# KiCad board Ultra-MSX.kicad_pcb (continued)
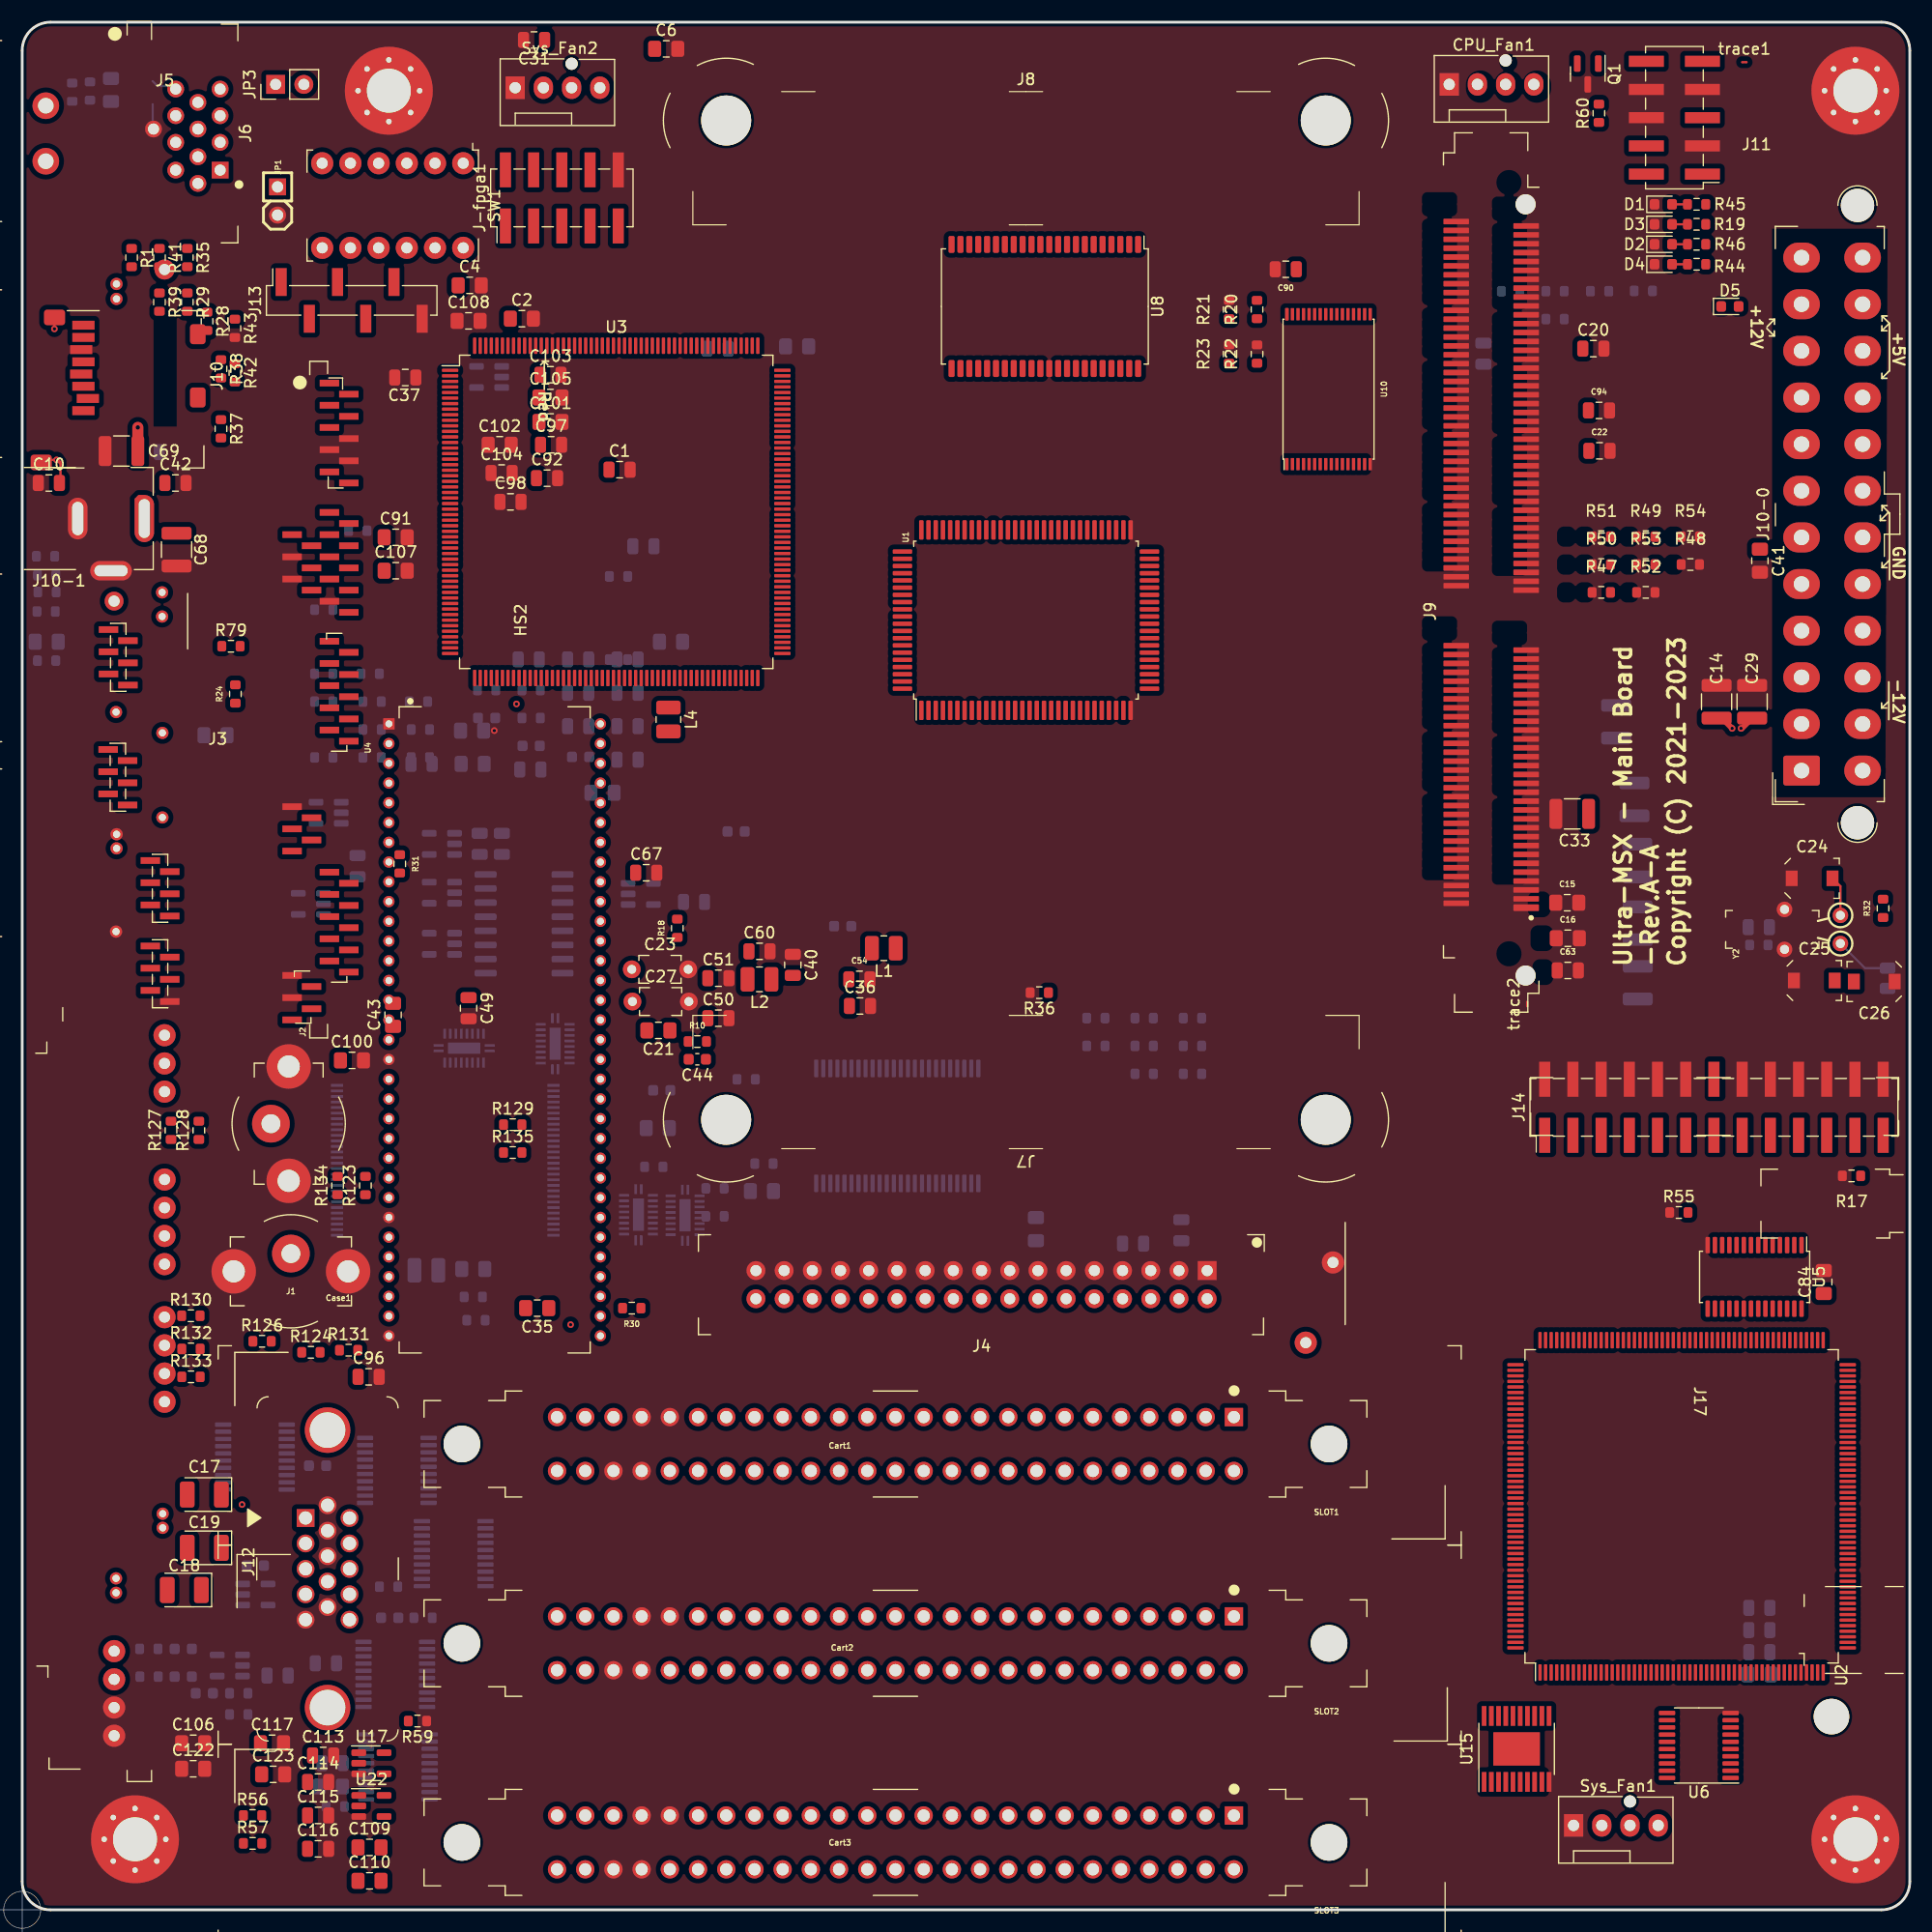
[diagram p0: board, top side]
## Nets (continued)
/AUDIO/VT_RAD7: U23.50 U24.12
/AUDIO/VT_~{EN}: U23.32 U25.16
/AUDIO/VT_~{OE}: U23.34 U25.14
/AUDIO/VT_~{RST}: U23.14 U25.15
/AUDIO/VT_~{RY_BY}: U23.17 U25.12
/AUDIO/VT_~{WE}: U23.13 U25.13
/AUDIO/VT_~{WP}: U23.16 U25.17
/BLANK: J3.46
/BOUT: C18.2 J5.51 J12.2
/CAPS_LED: J6.2 U2.28
/CAS_IN: J5.3 U2.6
/CAS_MOT: J5.2 U2.7
/CAS_OUT: J5.1 U2.10
/CC1/HPD: J5.35 U3.24
/CLK_BUS: U1.20 U2.57 U15.17
/CLK_IO: U1.21 U2.100
/CLK_PSG: U2.152 U4.63
/CLK_VDP: J3.13 U2.120
/CSYNC: J3.53 J5.50
/ENG_~{INT}: SW1.2 U1.38 U2.77
/FMA-CH1_L: C21.2 C27.1 U9.10
/FMA-CH2_R: C23.1 C35.2 U9.11
/GOUT: C19.2 J5.49 J12.3
/HDD_PWM: R60.1 U2.150
/HSYNC: J3.55 J12.13
/I2C_SCL: J9.141 RV1.18 RV2.18 RV3.18 RV4.18 RV5.18 U3.187
/I2C_SDA: J9.142 RV1.19 RV2.19 RV3.19 RV4.19 RV5.19 U3.186
/JOY_OUT_A: J5.8 U3.118
/JOY_OUT_B: J5.16 U3.134
/KANA_LED: J6.1 U2.31
/KBD_TYPE: JP1.1 R42.1
/KEY_CLICK: C56.2 U2.29
/KEY_DIR: J6.11 U2.27
/MCKE0: J9.62 U3.172
/MCKE1: J9.68 U3.173
/MCLK0: J9.74
/MCLK1: J9.61
/MEMORY/DQMB0: J9.23 U3.195
/MEMORY/DQMB1: J9.25 U3.196
/MEMORY/DQMB2: J9.115 U3.197
/MEMORY/DQMB3: J9.117 U3.198
/MEMORY/DQMB4: J9.24 U3.201
/MEMORY/DQMB5: J9.26 U3.202
/MEMORY/DQMB6: J9.116 U3.149
/MEMORY/DQMB7: J9.118 U3.150
/MEMORY/MD0: J9.3 U3.6
/MEMORY/MD1: J9.5 U3.7
/MEMORY/MD2: J9.7 U3.10
/MEMORY/MD3: J9.9 U3.11
/MEMORY/MD4: J9.13 U3.12
/MEMORY/MD5: J9.15 U3.13
/MEMORY/MD6: J9.17 U3.16
/MEMORY/MD7: J9.19 U3.19
/MEMORY/MD8: J9.37 U3.20
/MEMORY/MD9: J9.39 U3.21
/MEMORY/MD10: J9.41 U3.22
/MEMORY/MD11: J9.43 U3.27
/MEMORY/MD12: J9.47 U3.28
/MEMORY/MD13: J9.49 U3.29
/MEMORY/MD14: J9.51 U3.30
/MEMORY/MD15: J9.53 U3.31
/MEMORY/MD16: J9.83 U3.32
/MEMORY/MD17: J9.85 U3.33
/MEMORY/MD18: J9.87 U3.34
/MEMORY/MD19: J9.89 U3.35
/MEMORY/MD20: J9.93 U3.38
/MEMORY/MD21: J9.95 U3.39
/MEMORY/MD22: J9.97 U3.40
/MEMORY/MD23: J9.99 U3.41
/MEMORY/MD24: J9.121 U3.42
/MEMORY/MD25: J9.123 U3.43
/MEMORY/MD26: J9.125 U3.44
/MEMORY/MD27: J9.127 U3.45
/MEMORY/MD28: J9.131 U3.46
/MEMORY/MD29: J9.133 U3.58
/MEMORY/MD30: J9.135 U3.59
/MEMORY/MD31: J9.137 U3.60
/MEMORY/MD32: J9.4 U3.61
/MEMORY/MD33: J9.6 U3.62
/MEMORY/MD34: J9.8 U3.63
/MEMORY/MD35: J9.10 U3.64
/MEMORY/MD36: J9.14 U3.65
/MEMORY/MD37: J9.16 U3.66
/MEMORY/MD38: J9.18 U3.68
/MEMORY/MD39: J9.20 U3.69
/MEMORY/MD40: J9.38 U3.70
/MEMORY/MD41: J9.40 U3.71
/MEMORY/MD42: J9.42 U3.72
/MEMORY/MD43: J9.44 U3.73
/MEMORY/MD44: J9.48 U3.74
/MEMORY/MD45: J9.50 U3.75
/MEMORY/MD46: J9.52 U3.82
/MEMORY/MD47: J9.54 U3.83
/MEMORY/MD48: J9.84 U3.84
/MEMORY/MD49: J9.86 U3.85
/MEMORY/MD50: J9.88 U3.88
/MEMORY/MD51: J9.90 U3.89
/MEMORY/MD52: J9.94 U3.91
/MEMORY/MD53: J9.96 U3.92
/MEMORY/MD54: J9.98 U3.93
/MEMORY/MD55: J9.100 U3.94
/MEMORY/MD56: J9.122 U3.97
/MEMORY/MD57: J9.124 U3.98
/MEMORY/MD58: J9.126 U3.163
/MEMORY/MD59: J9.128 U3.164
/MEMORY/MD60: J9.132 U3.167
/MEMORY/MD61: J9.134 U3.168
/MEMORY/MD62: J9.136 U3.169
/MEMORY/MD63: J9.138 U3.170
/MEMORY/~{RAM_CS0}: U1.48 U8.6 U8.40
/MEMORY/~{RAM_CS1}: J9.71 U1.47
/MEMORY/~{RAM_CS2}: U1.46
/MEMORY/~{RAM_CS3}: U1.45
/MID_RX: J5.6 J14.3 U2.97
/MID_TX: J5.5 U2.94
/MSX ENGINE (chipset)/CCLK: SW1.3 U2.153 U3.153
/MSX ENGINE (chipset)/CI: J-fpga1.5 SW1.9
/MSX ENGINE (chipset)/COL0: J6.3 R1.1 U2.32
/MSX ENGINE (chipset)/COL1: J6.4 R28.1 U2.33
/MSX ENGINE (chipset)/COL2: J6.5 R29.1 U2.34
/MSX ENGINE (chipset)/COL3: J6.6 R34.1 U2.35
/MSX ENGINE (chipset)/COL4: J6.7 R35.1 U2.38
/MSX ENGINE (chipset)/COL5: J6.8 R39.1 U2.39
/MSX ENGINE (chipset)/COL6: J6.9 R40.1 U2.40
/MSX ENGINE (chipset)/COL7: J6.10 R41.1 U2.41
/MSX ENGINE (chipset)/DO: J-fpga1.1 SW1.7
/MSX ENGINE (chipset)/ENG_M0: SW1.4 U2.50 U3.50
/MSX ENGINE (chipset)/ENG_M1: SW1.5 U2.48 U3.48
/MSX ENGINE (chipset)/ENG_M2: SW1.6 U2.56 U3.56
/MSX ENGINE (chipset)/FanCtrl1: CPU_Fan1.4 U2.195
/MSX ENGINE (chipset)/FanCtrl2: Sys_Fan1.4 U2.196
/MSX ENGINE (chipset)/FanCtrl3: Sys_Fan2.4 U2.197
/MSX ENGINE (chipset)/FanSen1: CPU_Fan1.3 U2.189
/MSX ENGINE (chipset)/FanSen2: Sys_Fan1.3 U2.192
/MSX ENGINE (chipset)/FanSen3: Sys_Fan2.3 U2.193
/MSX ENGINE (chipset)/INIT: J-fpga1.3 SW1.8 U3.77
/MSX ENGINE (chipset)/MCLK0: U3.120
/MSX ENGINE (chipset)/MCLK1: U3.141
/MSX ENGINE (chipset)/PD0: J5.46 U2.75
/MSX ENGINE (chipset)/PD1: J5.45 U2.82
/MSX ENGINE (chipset)/PD2: J5.44 U2.83
/MSX ENGINE (chipset)/PD3: J5.43 U2.84
/MSX ENGINE (chipset)/PD4: J5.42 U2.85
/MSX ENGINE (chipset)/PD5: J5.40 U2.88
/MSX ENGINE (chipset)/PD6: J5.41 U2.89
/MSX ENGINE (chipset)/PD7: J5.39 U2.91
/MSX ENGINE (chipset)/TSTCLK: J-fpga1.4 U2.159 U3.159
/MSX ENGINE (chipset)/Z80_D0: U2.66 U6.18
/MSX ENGINE (chipset)/Z80_D1: U2.68 U6.17
/MSX ENGINE (chipset)/Z80_D2: U2.69 U6.16
/MSX ENGINE (chipset)/Z80_D3: U2.70 U6.15
/MSX ENGINE (chipset)/Z80_D4: U2.71 U6.14
/MSX ENGINE (chipset)/Z80_D5: U2.72 U6.13
/MSX ENGINE (chipset)/Z80_D6: U2.73 U6.12
/MSX ENGINE (chipset)/Z80_D7: U2.74 U6.11
/MSX ENGINE (chipset)/~{CHECK}: J-fpga1.7 U2.133 U3.133
/MSX ENGINE (chipset)/~{CON}: J-fpga1.9 U2.103 U3.103
/MSXE_CS: U2.123 U5.25
/nRESET/RX2+: J5.34 U3.23
/NTSC_CLKO: J3.11 U2.141
/PAL_CLK_IN: J3.40 U2.110
/PAL_CLK_OUT: J3.17 U2.47
/PLED+: J11.9 trace1.1
/PMPX: U2.21 U4.47
/POWER/+3.3D3: D4.2 R44.1
/POWER/+5D2: D3.2 R19.2 trace1.2
/POWER/+12D4: D1.2 R45.2
/POWER/-12D1: D2.2 R46.2
/PROCESSOR/HD+: D5.1 J11.10 Q1.2
/PROCESSOR/OSC-I: C24.2 U5.2 Y2.1
/PROCESSOR/OSC-O: C26.2 R26.1 U5.3
/PROCESSOR/~{BUSREQ}: R70.1 U1.33
/PROCESSOR/~{NMI}: J11.1 R71.1 U1.39 U5.4
/PROCESSOR/~{SU-RTC_CS}: U1.49 U5.21
/PRT_BUSY: J5.38 R79.1 U2.92
/PSG_SND: C70.2 R36.1 U4.27
/PWR_OK: J10-0.8 U5.26
/RMPX: U2.19 U4.20
/ROUT: C17.2 J5.48 J12.1
/SD_CLK: J10.5 U3.144
/SD_CMD: J10.3 U3.143
/SD_DAT1: J10.8 U3.137
/SD_DAT3: J10.2 U3.140
/SD_DET_A: J10.10 R37.1 U3.146
/SD_DET_B: J10.9 R38.2 U3.148
/SD_MISO/DAT0: J10.7 U3.145
/SD_MOSI/DAT2: J10.1 U3.139
/SLOTS/B_CLK: SLOT1.42 SLOT2.42 SLOT3.42 U15.3
/SLOTS/BA0: SLOT1.28 SLOT2.28 SLOT3.28 U14.2
/SLOTS/BA1: SLOT1.27 SLOT2.27 SLOT3.27 U14.3
/SLOTS/BA2: SLOT1.30 SLOT2.30 SLOT3.30 U14.5
/SLOTS/BA3: SLOT1.29 SLOT2.29 SLOT3.29 U14.6
/SLOTS/BA4: SLOT1.32 SLOT2.32 SLOT3.32 U14.8
/SLOTS/BA5: SLOT1.31 SLOT2.31 SLOT3.31 U14.9
/SLOTS/BA6: SLOT1.22 SLOT2.22 SLOT3.22 U14.11
/SLOTS/BA7: SLOT1.21 SLOT2.21 SLOT3.21 U14.12
/SLOTS/BA8: SLOT1.24 SLOT2.24 SLOT3.24 U14.13
/SLOTS/BA9: SLOT1.17 SLOT2.17 SLOT3.17 U14.14
/SLOTS/BA10: SLOT1.20 SLOT2.20 SLOT3.20 U14.16
/SLOTS/BA11: SLOT1.19 SLOT2.19 SLOT3.19 U14.17
/SLOTS/BA12: SLOT1.23 SLOT2.23 SLOT3.23 U14.19
/SLOTS/BA13: SLOT1.26 SLOT2.26 SLOT3.26 U14.20
/SLOTS/BA14: SLOT1.25 SLOT2.25 SLOT3.25 U14.22
/SLOTS/BA15: SLOT1.18 SLOT2.18 SLOT3.18 U14.23
/SLOTS/BD0: R92.2 SLOT1.34 SLOT2.34 SLOT3.34 U6.2
/SLOTS/BD1: R91.2 SLOT1.33 SLOT2.33 SLOT3.33 U6.3
/SLOTS/BD2: R90.2 SLOT1.36 SLOT2.36 SLOT3.36 U6.4
/SLOTS/BD3: R89.2 SLOT1.35 SLOT2.35 SLOT3.35 U6.5
/SLOTS/BD4: R88.2 SLOT1.38 SLOT2.38 SLOT3.38 U6.6
/SLOTS/BD5: R87.2 SLOT1.37 SLOT2.37 SLOT3.37 U6.7
/SLOTS/BD6: R86.2 SLOT1.40 SLOT2.40 SLOT3.40 U6.8
/SLOTS/BD7: R85.2 SLOT1.39 SLOT2.39 SLOT3.39 U6.9
/SLOTS/~{B_IORQ}: SLOT1.11 SLOT2.11 SLOT3.11 U15.12
/SLOTS/~{B_M1}: SLOT1.9 SLOT2.9 SLOT3.9 U15.16
/SLOTS/~{B_MREQ}: SLOT1.12 SLOT2.12 SLOT3.12 U15.14
/SLOTS/~{B_RD}: SLOT1.14 SLOT2.14 SLOT3.14 U15.9
/SLOTS/~{B_RESET}: SLOT1.15 SLOT2.15 SLOT3.15 U15.5
/SLOTS/~{B_RFSH}: SLOT1.6 SLOT2.6 SLOT3.6 U15.18
/SLOTS/~{B_WR}: SLOT1.13 SLOT2.13 SLOT3.13 U15.7
/SLT1_SND: C73.2 SLOT1.49
/SLT2_SND: C72.2 SLOT2.49
/SLT3_SND_L: C43.2 J1.2 SLOT3.49
/SLT3_SND_R: C38.2 J2.2
/SLT_DIR: U2.135 U6.1
/SUP_INT: U2.143 U5.5
/SWDCLK/RX1-: J5.26 U3.18
/SWDIO/RX1+: J5.27 U3.17
/SWO/RX2-: J5.33 U3.9
/USB1_D+: J5.29 U3.100
/USB1_D-: J5.28 U3.110
/USB2_D+: J5.32 U3.15
/USB2_D-: J5.31 U3.36
/VID_ID: J12.4 U2.98
/VIDEO/B-Main: C19.1 J3.51
/VIDEO/G-Main: C18.1 J3.49
/VIDEO/R-Main: C17.1 J3.50
/VIDEO/TCK_VDP: J3.2 J13.2
/VIDEO/TDI_VDP: J3.3 J13.3
/VIDEO/TDO_VDP: J3.1 J13.1
/VIDEO/TMS_VDP: J3.4 J13.4
/VIDEO/VREF: J3.48
/VSYNC: J3.56 J12.14
/WAVE_L: C110.2 J14.23 RV4.14
/WAVE_R: C109.2 J14.19 RV5.11
/Z80M: U1.43 U2.116
/~{AUD_INT}: RV1.1 RV2.1 RV3.1 RV4.1 RV5.1 U1.35 U4.56
/~{AUD_RST}: J14.25 U2.60 U4.33 U25.6
/~{BCK_A}: J5.11 U3.112
/~{BCK_B}: J5.18 U3.124
/~{BHEN}: U1.14 U3.5
/~{BLEN}: U1.15 U3.8
/~{BUSDIR1}: R74.1 SLOT1.10 U2.118
/~{BUSDIR2}: R75.1 SLOT2.10 U2.124
/~{BUSDIR3}: R76.1 SLOT3.10 U2.126
/~{CAS0}: J9.65 U1.13 U3.178
/~{DIR}: J4.18 U2.172
/~{DRVSA}: J4.12 U2.168
/~{DRVSB}: J4.14 U2.169
/~{DSKCHG}: J4.34 U2.188
/~{FWD_A}: J5.21 U3.111
/~{FWD_B}: J5.13 U3.121
/~{HALT}: U1.41 U2.22
/~{INDEX}: J4.8 U2.164
/~{IORQ_Z80}: U2.65 U15.8
/~{IORQ}: U1.23 U2.115
/~{KBD_WAIT}: R73.1 U2.30
/~{LFT_A}: J5.10 U3.114
/~{LFT_B}: J5.17 U3.125
/~{M1_Z80}: U2.63 U15.4
/~{M1}: U1.22 U2.114
/~{MEM_RD}: U1.16 U8.41 U10.24
/~{MEM_WR}: J9.67 U1.17 U8.17 U10.31
/~{MOTEA}: J4.10 U2.167
/~{MOTEB}: J4.16 U2.170
/~{MREQ_Z80}: U2.64 U15.6
/~{MSIZE}: U1.18 U3.179
/~{OE_VT}: U2.140 U24.11 U25.11 U26.11 U27.11
/~{POE}: U2.20 U4.46
/~{PS_ON}: J10-0.16 J11.5
/~{PSG_CS}: U2.42 U4.57
/~{RAS0}: J9.66 U1.12 U3.176
/~{RAS1}: U1.11 U3.177
/~{RDATA}: J4.30 U2.186
/~{RD}: U1.24 U2.137 U3.123 U3.135 U4.59 U5.22 U15.11
/~{REDWC}: J4.2 U2.163
/~{RESET}: J11.4 R16.1 SW1.1 U1.34 U2.108 U3.108 U5.6
/~{RFSH}: U2.111 U15.2
/~{RGT_A}: J5.7 U3.115
/~{RGT_B}: J5.15 U3.126
/~{ROE}: U2.16 U4.21
/~{ROM_A_EN}: U2.144 U25.5
/~{ROM_A_OE}: U2.146 U25.7
/~{ROM_A_WE}: U2.148 U25.8
/~{ROM_A_WP}: U2.145 U25.4
/~{ROM_CS}: U2.43 U10.22
/~{RY_BY}: U2.149 U25.9
/~{SIDE1}: J4.32 U2.187
/~{SLT_CS1}: SLOT1.1 SLOT2.1 SLOT3.1 U2.127
/~{SLT_CS2}: SLOT1.2 SLOT2.2 SLOT3.2 U2.134
/~{SLT_CS12}: SLOT1.3 SLOT2.3 SLOT3.3 U2.129
/~{SLT_INT}: R72.1 SLOT1.8 SLOT2.8 SLOT3.8 U1.36
/~{SLT_RST}: U2.136 U15.15
/~{SLT_WAIT}: R77.1 SLOT1.7 SLOT2.7 SLOT3.7
/~{SLTSL1}: SLOT1.4 U2.117
/~{SLTSL2}: SLOT2.4 U2.121
/~{SLTSL3}: SLOT3.4 U2.125
/~{Step}: J4.20 U2.173
/~{STROBE}: J5.47 U2.93
/~{TRG1_A}: J5.12 U3.116
/~{TRG1_B}: J5.20 U3.127
/~{TRG2_A}: J5.9 U3.117
/~{TRG2_B}: J5.19 U3.129
/~{TRK00}: J4.26 U2.178
/~{UMCS}: J9.69 U1.44
/~{VDP_INT}: J3.20 U1.37
/~{VDP_RD}: J3.14 U2.13
/~{VDP_RST}: J3.15 U2.59
/~{VDP_WAIT}: J3.18 U2.11
/~{VDP_WR}: J3.12 U2.12
/~{WAIT}: U1.19 U2.112
/~{WDATA}: J4.22 U2.176
/~{WGATE}: J4.24 U2.177
/~{WPT}: J4.28 U2.179
/~{WR}: U1.27 U2.139 U3.136 U4.58 U5.27 U15.13
Net-(C21-Pad1): C21.1 R10.1
Net-(C25-Pad2): C25.2 R26.2 Y2.2
Net-(C35-Pad1): C35.1 R12.1
Net-(C38-Pad1): C38.1 R2.2
Net-(C43-Pad1): C43.1 R31.2
Net-(C56-Pad1): C56.1 R118.2
Net-(C61-Pad2): C61.2 R121.1
Net-(C64-Pad2): C64.2 R122.1
Net-(C70-Pad1): C70.1 R32.2
Net-(C72-Pad1): C72.1 R6.2
Net-(C73-Pad1): C73.1 R25.1
Net-(C109-Pad1): C109.1 R24.2
Net-(C110-Pad1): C110.1 R56.2
Net-(J6-PadSH): J6.SH R43.1
Net-(J10-SHIELD): J10.11 R55.2
Net-(J12-ID0): J12.11 J12.12 J12.15 J12.SH R59.2
Net-(Q1-G): Q1.1 R60.2
Net-(R115-Pad1): R14.1 R15.2 R115.1 R116.1 R117.1 R118.1
Net-(RV1B-A1): R4.2 RV1.3
Net-(RV1B-W1): C44.2 RV1.4 RV1.10 U12.1
Net-(RV1D-A3): R5.2 RV1.6
Net-(RV1D-W3): C45.2 RV1.7 RV1.13 U13.1
Net-(RV2B-A1): R7.2 RV2.3
Net-(RV2B-W1): C47.2 RV2.4 RV2.10 U18.1
Net-(RV2D-A3): R3.2 RV2.6
Net-(RV2D-W3): C46.2 RV2.7 RV2.13 U16.1
Net-(RV3B-A1): R27.2 RV3.3
Net-(RV3B-W1): C76.2 RV3.4 RV3.10 U7.1
Net-(RV3D-A3): R30.2 RV3.6
Net-(RV3D-W3): C77.2 RV3.7 RV3.13 U19.1
Net-(RV4B-A1): R33.2 RV4.3
Net-(RV4B-W1): C78.2 RV4.4 RV4.10 U11.1
Net-(RV4D-A3): R58.2 RV4.6
Net-(RV4D-W3): C112.2 RV4.7 RV4.13 U17.1
Net-(RV5B-A1): R57.2 RV5.3
Net-(RV5B-W1): C111.2 RV5.4 RV5.10 U22.1
Net-(RV5D-A3): C57.1 R8.2 R9.2 R14.2 RV5.6 U20.4
Net-(RV5D-W3): C57.2 C61.1 RV5.7 U20.1
Net-(RV5E-A4): C58.1 R11.2 R13.2 R15.1 RV5.13 U21.4
Net-(RV5E-W4): C58.2 C64.1 RV5.14 U21.1
Net-(U1A-~{STNBY}): trace2.1 U1.42
Net-(U6A-~{OE}): R21.1 U6.19
Net-(U7--): C76.1 R6.1 R27.1 U7.4
Net-(U9A-BC): R18.1 U9.15
Net-(U11--): C78.1 R25.2 R33.1 U11.4
Net-(U12--): C44.1 R4.1 R10.2 U12.4
Net-(U13--): C45.1 R5.1 R12.2 U13.4
Net-(U14A-1~{OE}): R22.1 U14.1
Net-(U14C-3~{OE}): R23.1 U14.25
Net-(U15A-1~{OE}): R17.1 U15.1
Net-(U15B-2OE): R20.1 U15.19
Net-(U16--): C46.1 R2.1 R3.1 U16.4
Net-(U17--): C112.1 R56.1 R58.1 U17.4
Net-(U18--): C47.1 R7.1 R31.1 U18.4
Net-(U19--): C77.1 R30.1 R32.1 U19.4
Net-(U22--): C111.1 R24.1 R57.1 U22.4

Pads without a net: J4 4 6; J5 24 25; J9 57 58 59 60 72 73 77 78 79 80; J10-0 20; J11 2; J14 1 7 11 14 15; J-fpga1 6 8; SLOT1 5 16; SLOT2 5 16; SLOT3 5 16; U1 25 26 31 32; U2 1 3 5 8 9 15 17 18 23 24 36 44 45 46 51 52 53 54 58 61 62 102 104 105 107 155 156 157 158 198 201 202 206 207 208; U3 1 3 4 47 51 52 53 54 57 102 104 105 107 152 155 156 157 158 206 207 208; U4 24 25 34 39 40 45; U8 7 8 11 12 15 16 29 30 37 38; U9 13 14; U15 21; U23 1 27 28 30 53 55 56; U24 21; U25 21; U26 21; U27 21

## Via types
v1: diameter 0.6, hole 0.3, Top to Bottom, 8 vias
v2: diameter 0.8, hole 0.4, Top to Bottom, 1 via

## Routing (per net, layer and track width the routed paths; a pad name or vN(x,y) marks a point on that pad's centre or on a via; arc(x,y) is an arc through that point)
+3.3V: length 85.5
  Top w0.2: 1.71,130.65 1.79,130.58 v1(3.1,130.58) 3.45,130.23 ; v1(2.9,142.38) 2.9,143.5 2.91,143.51 ; 3.45,128.78 3.45,130.43 ; v1(154.8,106.4) 154.88,106.4 ; 152.6,107.33 153.07,107.33
  Top w0.5: 153.07,107.33 v1(154,106.4) ; 154.88,106.4 155.8,107.33
  Ground.Cu w0.2: 2.9,130.58 v1(2.9,142.38) ; v1(3.1,130.58) 2.9,130.78
  Power.Cu w0.75: J10-0.13 J10-0.1 158.6,102.6 153.6,107.6 153.6,144.4 158,148.8 J10-0.12 ; 160.2,102.65 160.2,106.75 ; v1(154.8,106.4) v1(154,106.4)
  Bottom w0.75: 160.2,102.65 J10-0.1 159.2,102.6 ; 160.2,106.75 J10-0.2
+5V: length 8.1
  Top w1: v2(10.41,133.5) C69.2 ; 53.08,8.55 53.15,8.61 ; J10-0.23 165.7,144.6
  Power.Cu w1: J10-0.6 159.2,123.6 ; 50.71,8.46 53.25,8.46
  Bottom w0.2: 13.85,164.25 12.19,164.25 11.75,164.69
  vias: v1(44.52,108.6)
+12V: length 46.6
  Power.Cu w1: 50.71,3.66 50.71,4.66 49.39,5.98 46.79,5.98 45.99,6.78 45.99,13.18 50.71,17.9 50.71,21.79 ; SLOT1.48 50.71,38.77 45.8,33.86 45.8,25.76 47.3,24.26 49,24.26 50.71,22.56 50.71,21.58
-12V: length 45.4
  Top w1: 47.94,21.83 48.13,21.83
  Power.Cu w1: SLOT1.50 44.2,35.56 44.2,23.86 45.2,22.86 46.7,22.86 47.99,21.58 48.17,21.58 48,21.41 48,18.88 43.39,14.27 43.39,6.58 46.31,3.66 48.17,3.66
GND: length 2
  Bottom w0.2: 11.75,162.61 11.75,160.75 11.85,160.65
  vias: v1(42.52,106.2)
/POWER/+3.3D3: length 1.4
  Top w0.2: R44.1 D4.2
/POWER/+5D2: length 1.4
  Top w0.2: R19.2 D3.2
/POWER/+12D4: length 1.4
  Top w0.2: R45.2 D1.2
/POWER/-12D1: length 1.4
  Top w0.2: R46.2 D2.2
/PROCESSOR/OSC-I: length 3.6
  Top w0.2: Y2.1 163.75,92.18 C24.2
/SLT1_SND:
  vias: v1(49.39,52.7)
/WAVE_R:
  vias: v1(19.8,36.5)
Net-(C25-Pad2): length 5.1
  Bottom w0.2: 163.78,86.99 165.97,84.81 R26.2
Net-(J6-PadSH): length 5
  Ground.Cu w0.2: 2.15,157.75 2.15,162.75

## Copper pours and planes (outline as drawn; the poured copper is in the pictures)
+5V on Power.Cu: 170.2,0.1 0,0 -0.8,170.6 170.5,170.6
+5V on Power.Cu: 170,0 0,0 -0.6,170 170,170
GND on Top: -0.14,170.19 170.86,170.56 170.06,-1.04 -0.94,-1.41
GND on Bottom: 0.26,169.59 170.36,170.09 171.66,-0.65 0.2,0
GND on Ground.Cu: 0.26,169.59 170.36,170.09 171.66,-0.65 0.2,0
GND on Ground.Cu: 167.87,100.4 157.8,100.4 157.8,151.2 167.87,151.2
GND on Ground.Cu: 4.3,120.5 2.7,123.1 2.7,128.5 4.1,130.7 5.9,132.3 6.7,134.7 8.3,134.7 8.3,131.7 7.3,128.7 7.3,124.5 9.9,123.1 10.7,122.1 10.7,120.7 9.9,119.7 4.9,119.7

## Text on the board
B.Silkscreen: GND | Blue | Audio | Green | ~{RST} | ~{NMI}
F.Silkscreen: JP5, JP6: 1-2: NTSC;  2-3: PAL / (Use wire links instead of jumpers) | JP2: Japanese keyboard layout / Open: JIS; Closed: ANSI/AIUEO/50on | JP1 - Flash ROM A18 Select / Open:  A18=0 (default); / Closed: A18=1 | PAL Clock Generator | Red | +12V | 5V Only | [Slot Direction] | [Slot Select] | [Chip Select] | -12V | +5V | GND | Ultra-MSX - Main Board / -Rev.A-A / Copyright (C) 2021-2023
